# Altium PCB touch-2ch-v4.PcbDoc (part 4 of 8)
Units mm, origin at the board's own origin, x right, y up, seen from the top; angles counter-clockwise.
Board outline 39.88 x 84.36 mm, 2 copper layers (Top Layer, Bottom Layer); 1029 components, 40 nets, 2604 pads, 0 vias.
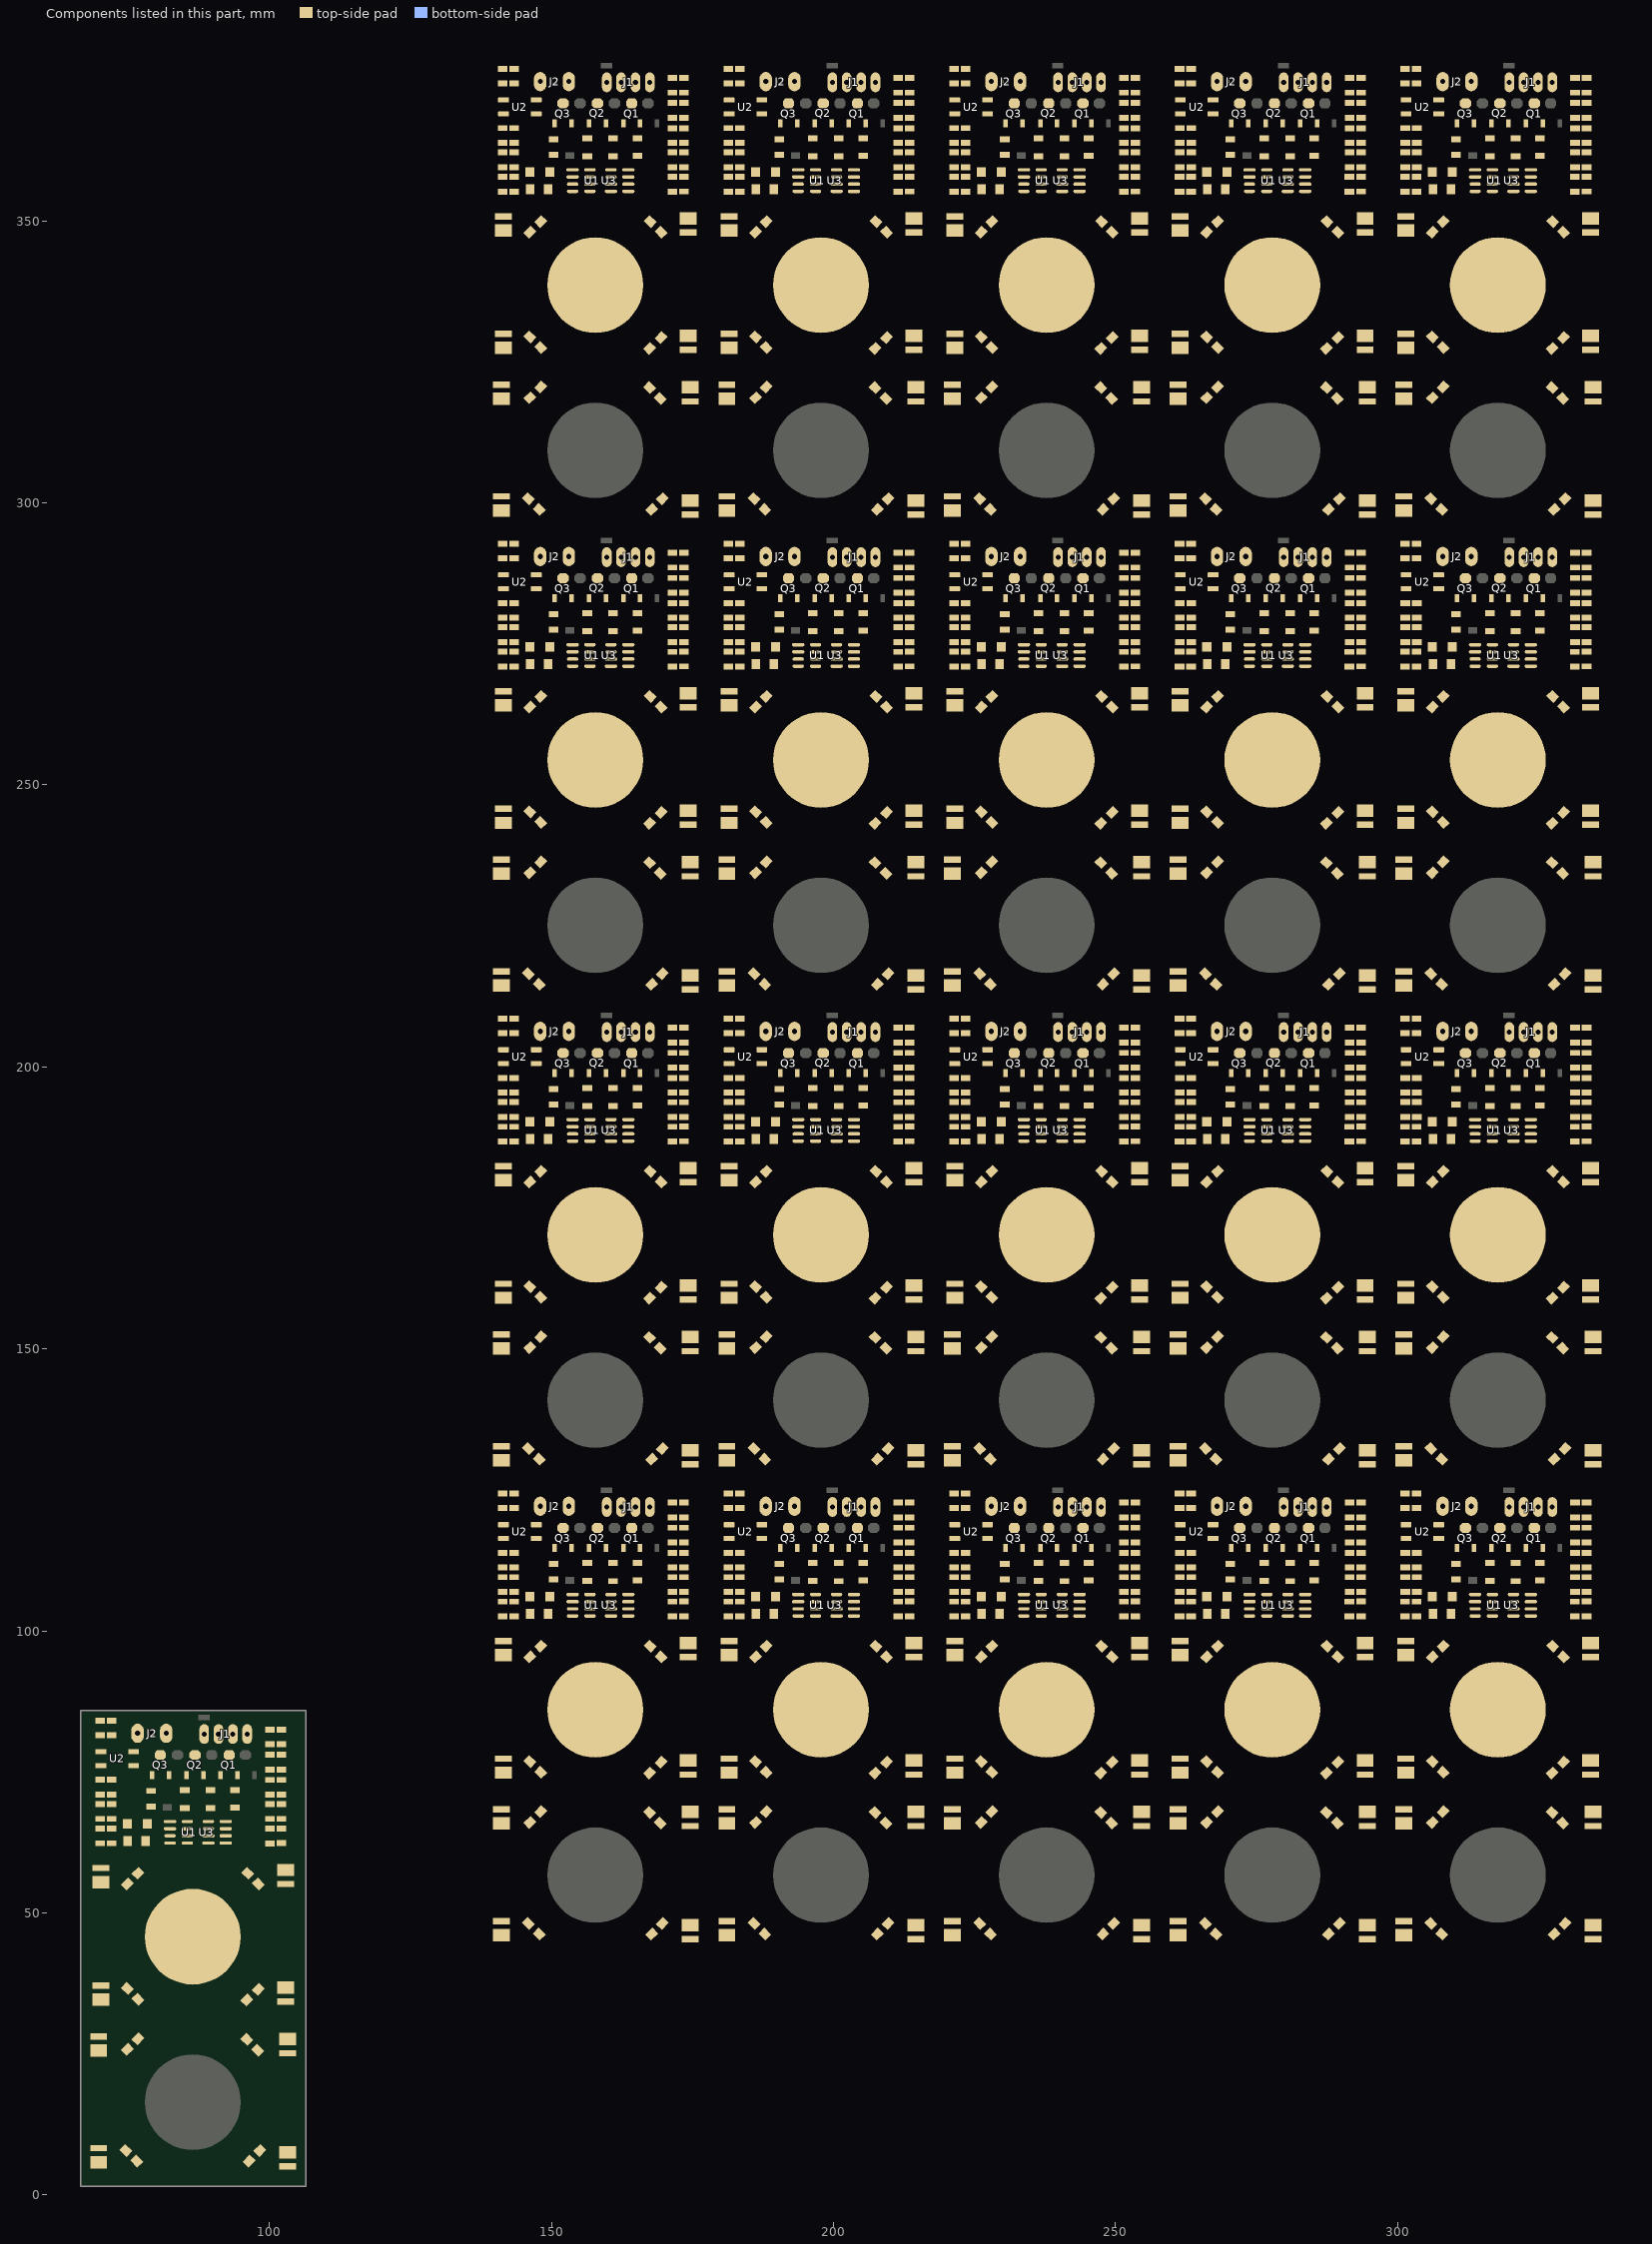
[diagram p4: the components of this part, seen from the top]

## Nets (pads, with @x,y where several pads share a name; then routed paths per layer and width w, separated by ;. In a path a pad name is that pad's centre, name@x,y a point inside that pad or via, vN(x,y) a via of type N, cw(c..) or ccw(c..) an arc to the next point about the centre after c; other vN are vias at no path point) (continued)
pads on no net: U3.6@236.828,357.778 U3.6@276.828,105.178 U3.6@276.828,189.378 U3.6@276.828,273.578 U3.6@276.828,357.778 U3.6@316.827,105.178 U3.6@316.827,189.378 U3.6@316.827,273.578 U3.6@316.827,357.778 U3.7@156.828,103.908 U3.7@156.828,188.108 U3.7@156.828,272.308 U3.7@156.828,356.508 U3.7@196.828,103.908 U3.7@196.828,188.108 U3.7@196.828,272.308 U3.7@196.828,356.508 U3.7@236.828,103.908 U3.7@236.828,188.108 U3.7@236.828,272.308 U3.7@236.828,356.508 U3.7@276.828,103.908 U3.7@276.828,188.108 U3.7@276.828,272.308 U3.7@276.828,356.508 U3.7@316.827,103.908 U3.7@316.827,188.108 U3.7@316.827,272.308 U3.7@316.827,356.508 U3.8@156.828,102.638 U3.8@156.828,186.838 U3.8@156.828,271.038 U3.8@156.828,355.238 U3.8@196.828,102.638 U3.8@196.828,186.838 U3.8@196.828,271.038 U3.8@196.828,355.238 U3.8@236.828,102.638 U3.8@236.828,186.838 U3.8@236.828,271.038 U3.8@236.828,355.238 U3.8@276.828,102.638 U3.8@276.828,186.838 U3.8@276.828,271.038 U3.8@276.828,355.238 U3.8@316.827,102.638 U3.8@316.827,186.838 U3.8@316.827,271.038 U3.8@316.827,355.238
copper on no net: | length 17363
  Top Layer w0.5: 141.097,46.031 141.497,46.031 142.347,45.181 142.347,45.105 144.526,42.926 171.152,42.926 173.548,45.322 174.498,45.322 ; 141.097,130.231 141.497,130.231 142.347,129.381 142.347,129.305 144.526,127.126 171.152,127.126 173.548,129.522 174.498,129.522 ; 141.097,214.431 141.497,214.431 142.347,213.581 142.347,213.505 144.526,211.326 171.152,211.326 173.548,213.722 174.498,213.722 ; 141.097,298.631 141.497,298.631 142.347,297.781 142.347,297.705 144.526,295.526 171.152,295.526 173.548,297.922 174.498,297.922 ; 141.478,74.86 142.216,74.122 142.216,72.922 143.764,71.374 143.764,46.863 146.674,43.953 169.429,43.953 172.085,46.609 172.085,71.501 174.109,73.525 174.109,74.397 174.244,74.532 ; 141.478,159.06 142.216,158.322 142.216,157.122 143.764,155.574 143.764,131.063 146.674,128.153 169.429,128.153 172.085,130.809 172.085,155.701 174.109,157.725 174.109,158.597 174.244,158.732 ; 141.478,243.26 142.216,242.522 142.216,241.322 143.764,239.774 143.764,215.263 146.674,212.353 169.429,212.353 172.085,215.009 172.085,239.901 174.109,241.925 174.109,242.797 174.244,242.932 ; 141.478,327.46 142.216,326.722 142.216,325.522 143.764,323.974 143.764,299.463 146.674,296.553 169.429,296.553 172.085,299.209 172.085,324.101 174.109,326.125 174.109,326.997 174.244,327.132 ; 147.828,46.101 148.223,46.101 149.112,45.212 166.483,45.212 167.245,45.974 167.894,45.974 ; 147.828,130.301 148.223,130.301 149.112,129.412 166.483,129.412 167.245,130.174 167.894,130.174 ; 147.828,214.501 148.223,214.501 149.112,213.612 166.483,213.612 167.245,214.374 167.894,214.374 ; 147.828,298.701 148.223,298.701 149.112,297.812 166.483,297.812 167.245,298.574 167.894,298.574 ; 153.77,105.198 157.574,105.198 158.457,105.198 158.75,105.491 158.75,107.823 157.987,108.586 156.635,108.586 156.36,108.861 ; 153.77,189.398 157.574,189.398 158.457,189.398 158.75,189.691 158.75,192.023 157.987,192.786 156.635,192.786 156.36,193.061 ; 153.77,273.598 157.574,273.598 158.457,273.598 158.75,273.891 158.75,276.223 157.987,276.986 156.635,276.986 156.36,277.261 ; 153.77,357.798 157.574,357.798 158.457,357.798 158.75,358.091 158.75,360.423 157.987,361.186 156.635,361.186 156.36,361.461 ; 160.937,118.005 161.891,117.051 161.891,117.046 162.605,116.332 168.656,116.332 169.418,117.094 175.221,117.094 175.514,116.801 175.514,99.695 175.236,99.417 175.236,98.598 174.498,97.86 ; 160.937,202.205 161.891,201.251 161.891,201.246 162.605,200.532 168.656,200.532 169.418,201.294 175.221,201.294 175.514,201.001 175.514,183.895 175.236,183.617 175.236,182.798 174.498,182.06 ; 160.937,286.405 161.891,285.451 161.891,285.446 162.605,284.732 168.656,284.732 169.418,285.494 175.221,285.494 175.514,285.201 175.514,268.095 175.236,267.817 175.236,266.998 174.498,266.26 ; 160.937,370.605 161.891,369.651 161.891,369.646 162.605,368.932 168.656,368.932 169.418,369.694 175.221,369.694 175.514,369.401 175.514,352.295 175.236,352.017 175.236,351.198 174.498,350.46 ; 167.132,118.237 167.303,118.408 168.573,118.408 169.418,119.253 169.418,120.904 170.053,121.539 176.657,121.539 ; 167.132,202.437 167.303,202.608 168.573,202.608 169.418,203.453 169.418,205.104 170.053,205.739 176.657,205.739 ; 167.132,286.637 167.303,286.808 168.573,286.808 169.418,287.653 169.418,289.304 170.053,289.939 176.657,289.939 ; 167.132,370.837 167.303,371.008 168.573,371.008 169.418,371.853 169.418,373.504 170.053,374.139 176.657,374.139 ; 173.291,97.727 173.999,97.727 ; 173.291,181.926 173.999,181.926 ; 173.291,266.126 173.999,266.126 ; 173.291,350.326 173.999,350.326 ; 181.097,46.031 181.497,46.031 182.347,45.181 182.347,45.105 184.526,42.926 211.152,42.926 213.548,45.322 214.498,45.322 ; 181.097,130.231 181.497,130.231 182.347,129.381 182.347,129.305 184.526,127.126 211.152,127.126 213.548,129.522 214.498,129.522 ; 181.097,214.431 181.497,214.431 182.347,213.581 182.347,213.505 184.526,211.326 211.152,211.326 213.548,213.722 214.498,213.722 ; 181.097,298.631 181.497,298.631 182.347,297.781 182.347,297.705 184.526,295.526 211.152,295.526 213.548,297.922 214.498,297.922 ; 181.478,74.86 182.216,74.122 182.216,72.922 183.764,71.374 183.764,46.863 186.674,43.953 209.429,43.953 212.085,46.609 212.085,71.501 214.109,73.525 214.109,74.397 214.244,74.532 ; 181.478,159.06 182.216,158.322 182.216,157.122 183.764,155.574 183.764,131.063 186.674,128.153 209.429,128.153 212.085,130.809 212.085,155.701 214.109,157.725 214.109,158.597 214.244,158.732 ; 181.478,243.26 182.216,242.522 182.216,241.322 183.764,239.774 183.764,215.263 186.674,212.353 209.429,212.353 212.085,215.009 212.085,239.901 214.109,241.925 214.109,242.797 214.244,242.932 ; 181.478,327.46 182.216,326.722 182.216,325.522 183.764,323.974 183.764,299.463 186.674,296.553 209.429,296.553 212.085,299.209 212.085,324.101 214.109,326.125 214.109,326.997 214.244,327.132 ; 187.828,46.101 188.223,46.101 189.112,45.212 206.483,45.212 207.245,45.974 207.894,45.974 ; 187.828,130.301 188.223,130.301 189.112,129.412 206.483,129.412 207.245,130.174 207.894,130.174 ; 187.828,214.501 188.223,214.501 189.112,213.612 206.483,213.612 207.245,214.374 207.894,214.374 ; 187.828,298.701 188.223,298.701 189.112,297.812 206.483,297.812 207.245,298.574 207.894,298.574 ; 193.77,105.198 197.574,105.198 198.457,105.198 198.75,105.491 198.75,107.823 197.987,108.586 196.635,108.586 196.36,108.861 ; 193.77,189.398 197.574,189.398 198.457,189.398 198.75,189.691 198.75,192.023 197.987,192.786 196.635,192.786 196.36,193.061 ; 193.77,273.598 197.574,273.598 198.457,273.598 198.75,273.891 198.75,276.223 197.987,276.986 196.635,276.986 196.36,277.261 ; 193.77,357.798 197.574,357.798 198.457,357.798 198.75,358.091 198.75,360.423 197.987,361.186 196.635,361.186 196.36,361.461 ; 200.937,118.005 201.891,117.051 201.891,117.046 202.605,116.332 208.656,116.332 209.418,117.094 215.221,117.094 215.514,116.801 215.514,99.695 215.236,99.417 215.236,98.598 214.498,97.86 ; 200.937,202.205 201.891,201.251 201.891,201.246 202.605,200.532 208.656,200.532 209.418,201.294 215.221,201.294 215.514,201.001 215.514,183.895 215.236,183.617 215.236,182.798 214.498,182.06 ; 200.937,286.405 201.891,285.451 201.891,285.446 202.605,284.732 208.656,284.732 209.418,285.494 215.221,285.494 215.514,285.201 215.514,268.095 215.236,267.817 215.236,266.998 214.498,266.26 ; 200.937,370.605 201.891,369.651 201.891,369.646 202.605,368.932 208.656,368.932 209.418,369.694 215.221,369.694 215.514,369.401 215.514,352.295 215.236,352.017 215.236,351.198 214.498,350.46 ; 207.132,118.237 207.303,118.408 208.573,118.408 209.418,119.253 209.418,120.904 210.053,121.539 216.657,121.539 ; 207.132,202.437 207.303,202.608 208.573,202.608 209.418,203.453 209.418,205.104 210.053,205.739 216.657,205.739 ; 207.132,286.637 207.303,286.808 208.573,286.808 209.418,287.653 209.418,289.304 210.053,289.939 216.657,289.939 ; 207.132,370.837 207.303,371.008 208.573,371.008 209.418,371.853 209.418,373.504 210.053,374.139 216.657,374.139 ; 213.291,97.727 213.999,97.727 ; 213.291,181.926 213.999,181.926 ; 213.291,266.126 213.999,266.126 ; 213.291,350.326 213.999,350.326 ; 221.097,46.031 221.497,46.031 222.347,45.181 222.347,45.105 224.526,42.926 251.152,42.926 253.548,45.322 254.498,45.322 ; 221.097,130.231 221.497,130.231 222.347,129.381 222.347,129.305 224.526,127.126 251.152,127.126 253.548,129.522 254.498,129.522 ; 221.097,214.431 221.497,214.431 222.347,213.581 222.347,213.505 224.526,211.326 251.152,211.326 253.548,213.722 254.498,213.722 ; 221.097,298.631 221.497,298.631 222.347,297.781 222.347,297.705 224.526,295.526 251.152,295.526 253.548,297.922 254.498,297.922 ; 221.478,74.86 222.216,74.122 222.216,72.922 223.764,71.374 223.764,46.863 226.674,43.953 249.429,43.953 252.085,46.609 252.085,71.501 254.109,73.525 254.109,74.397 254.244,74.532 ; 221.478,159.06 222.216,158.322 222.216,157.122 223.764,155.574 223.764,131.063 226.674,128.153 249.429,128.153 252.085,130.809 252.085,155.701 254.109,157.725 254.109,158.597 254.244,158.732 ; 221.478,243.26 222.216,242.522 222.216,241.322 223.764,239.774 223.764,215.263 226.674,212.353 249.429,212.353 252.085,215.009 252.085,239.901 254.109,241.925 254.109,242.797 254.244,242.932 ; 221.478,327.46 222.216,326.722 222.216,325.522 223.764,323.974 223.764,299.463 226.674,296.553 249.429,296.553 252.085,299.209 252.085,324.101 254.109,326.125 254.109,326.997 254.244,327.132 ; 227.828,46.101 228.223,46.101 229.112,45.212 246.483,45.212 247.245,45.974 247.894,45.974 ; 227.828,130.301 228.223,130.301 229.112,129.412 246.483,129.412 247.245,130.174 247.894,130.174 ; 227.828,214.501 228.223,214.501 229.112,213.612 246.483,213.612 247.245,214.374 247.894,214.374 ; 227.828,298.701 228.223,298.701 229.112,297.812 246.483,297.812 247.245,298.574 247.894,298.574 ; 233.77,105.198 237.574,105.198 238.457,105.198 238.75,105.491 238.75,107.823 237.986,108.586 236.635,108.586 236.359,108.861 ; 233.77,189.398 237.574,189.398 238.457,189.398 238.75,189.691 238.75,192.023 237.986,192.786 236.635,192.786 236.359,193.061 ; 233.77,273.598 237.574,273.598 238.457,273.598 238.75,273.891 238.75,276.223 237.986,276.986 236.635,276.986 236.359,277.261 ; 233.77,357.798 237.574,357.798 238.457,357.798 238.75,358.091 238.75,360.423 237.986,361.186 236.635,361.186 236.359,361.461 ; 240.937,118.005 241.891,117.051 241.891,117.046 242.605,116.332 248.656,116.332 249.418,117.094 255.221,117.094 255.514,116.801 255.514,99.695 255.236,99.417 255.236,98.598 254.498,97.86 ; 240.937,202.205 241.891,201.251 241.891,201.246 242.605,200.532 248.656,200.532 249.418,201.294 255.221,201.294 255.514,201.001 255.514,183.895 255.236,183.617 255.236,182.798 254.498,182.06 ; 240.937,286.405 241.891,285.451 241.891,285.446 242.605,284.732 248.656,284.732 249.418,285.494 255.221,285.494 255.514,285.201 255.514,268.095 255.236,267.817 255.236,266.998 254.498,266.26 ; 240.937,370.605 241.891,369.651 241.891,369.646 242.605,368.932 248.656,368.932 249.418,369.694 255.221,369.694 255.514,369.401 255.514,352.295 255.236,352.017 255.236,351.198 254.498,350.46 ; 247.132,118.237 247.303,118.408 248.573,118.408 249.418,119.253 249.418,120.904 250.053,121.539 256.657,121.539 ; 247.132,202.437 247.303,202.608 248.573,202.608 249.418,203.453 249.418,205.104 250.053,205.739 256.657,205.739 ; 247.132,286.637 247.303,286.808 248.573,286.808 249.418,287.653 249.418,289.304 250.053,289.939 256.657,289.939 ; 247.132,370.837 247.303,371.008 248.573,371.008 249.418,371.853 249.418,373.504 250.053,374.139 256.657,374.139 ; 253.291,97.727 253.999,97.727 ; 253.291,181.926 253.999,181.926 ; 253.291,266.126 253.999,266.126 ; 253.291,350.326 253.999,350.326 ; 261.097,46.031 261.497,46.031 262.347,45.181 262.347,45.105 264.526,42.926 291.152,42.926 293.548,45.322 294.498,45.322 ; 261.097,130.231 261.497,130.231 262.347,129.381 262.347,129.305 264.526,127.126 291.152,127.126 293.548,129.522 294.498,129.522 ; 261.097,214.431 261.497,214.431 262.347,213.581 262.347,213.505 264.526,211.326 291.152,211.326 293.548,213.722 294.498,213.722 ; 261.097,298.631 261.497,298.631 262.347,297.781 262.347,297.705 264.526,295.526 291.152,295.526 293.548,297.922 294.498,297.922 ; 261.478,74.86 262.216,74.122 262.216,72.922 263.764,71.374 263.764,46.863 266.674,43.953 289.429,43.953 292.085,46.609 292.085,71.501 294.109,73.525 294.109,74.397 294.244,74.532 ; 261.478,159.06 262.216,158.322 262.216,157.122 263.764,155.574 263.764,131.063 266.674,128.153 289.429,128.153 292.085,130.809 292.085,155.701 294.109,157.725 294.109,158.597 294.244,158.732 ; 261.478,243.26 262.216,242.522 262.216,241.322 263.764,239.774 263.764,215.263 266.674,212.353 289.429,212.353 292.085,215.009 292.085,239.901 294.109,241.925 294.109,242.797 294.244,242.932 ; 261.478,327.46 262.216,326.722 262.216,325.522 263.764,323.974 263.764,299.463 266.674,296.553 289.429,296.553 292.085,299.209 292.085,324.101 294.109,326.125 294.109,326.997 294.244,327.132 ; 267.828,46.101 268.223,46.101 269.112,45.212 286.483,45.212 287.245,45.974 287.894,45.974 ; 267.828,130.301 268.223,130.301 269.112,129.412 286.483,129.412 287.245,130.174 287.894,130.174 ; 267.828,214.501 268.223,214.501 269.112,213.612 286.483,213.612 287.245,214.374 287.894,214.374 ; 267.828,298.701 268.223,298.701 269.112,297.812 286.483,297.812 287.245,298.574 287.894,298.574 ; 273.77,105.198 277.574,105.198 278.457,105.198 278.75,105.491 278.75,107.823 277.987,108.586 276.635,108.586 276.36,108.861 ; 273.77,189.398 277.574,189.398 278.457,189.398 278.75,189.691 278.75,192.023 277.987,192.786 276.635,192.786 276.36,193.061 ; 273.77,273.598 277.574,273.598 278.457,273.598 278.75,273.891 278.75,276.223 277.987,276.986 276.635,276.986 276.36,277.261 ; 273.77,357.798 277.574,357.798 278.457,357.798 278.75,358.091 278.75,360.423 277.987,361.186 276.635,361.186 276.36,361.461 ; 280.937,118.005 281.891,117.051 281.891,117.046 282.605,116.332 288.656,116.332 289.418,117.094 295.221,117.094 295.514,116.801 295.514,99.695 295.236,99.417 295.236,98.598 294.498,97.86 ; 280.937,202.205 281.891,201.251 281.891,201.246 282.605,200.532 288.656,200.532 289.418,201.294 295.221,201.294 295.514,201.001 295.514,183.895 295.236,183.617 295.236,182.798 294.498,182.06 ; 280.937,286.405 281.891,285.451 281.891,285.446 282.605,284.732 288.656,284.732 289.418,285.494 295.221,285.494 295.514,285.201 295.514,268.095 295.236,267.817 295.236,266.998 294.498,266.26 ; 280.937,370.605 281.891,369.651 281.891,369.646 282.605,368.932 288.656,368.932 289.418,369.694 295.221,369.694 295.514,369.401 295.514,352.295 295.236,352.017 295.236,351.198 294.498,350.46 ; 287.132,118.237 287.303,118.408 288.573,118.408 289.418,119.253 289.418,120.904 290.053,121.539 296.657,121.539 ; 287.132,202.437 287.303,202.608 288.573,202.608 289.418,203.453 289.418,205.104 290.053,205.739 296.657,205.739 ; 287.132,286.637 287.303,286.808 288.573,286.808 289.418,287.653 289.418,289.304 290.053,289.939 296.657,289.939 ; 287.132,370.837 287.303,371.008 288.573,371.008 289.418,371.853 289.418,373.504 290.053,374.139 296.657,374.139 ; 293.292,97.727 293.999,97.727 ; 293.292,181.926 293.999,181.926 ; 293.292,266.126 293.999,266.126 ; 293.292,350.326 293.999,350.326 ; 301.097,46.031 301.497,46.031 302.347,45.181 302.347,45.105 304.526,42.926 331.152,42.926 333.548,45.322 334.498,45.322 ; 301.097,130.231 301.497,130.231 302.347,129.381 302.347,129.305 304.526,127.126 331.152,127.126 333.548,129.522 334.498,129.522 ; 301.097,214.431 301.497,214.431 302.347,213.581 302.347,213.505 304.526,211.326 331.152,211.326 333.548,213.722 334.498,213.722 ; 301.097,298.631 301.497,298.631 302.347,297.781 302.347,297.705 304.526,295.526 331.152,295.526 333.548,297.922 334.498,297.922 ; 301.478,74.86 302.216,74.122 302.216,72.922 303.764,71.374 303.764,46.863 306.674,43.953 329.429,43.953 332.085,46.609 332.085,71.501 334.109,73.525 334.109,74.397 334.244,74.532 ; 301.478,159.06 302.216,158.322 302.216,157.122 303.764,155.574 303.764,131.063 306.674,128.153 329.429,128.153 332.085,130.809 332.085,155.701 334.109,157.725 334.109,158.597 334.244,158.732 ; 301.478,243.26 302.216,242.522 302.216,241.322 303.764,239.774 303.764,215.263 306.674,212.353 329.429,212.353 332.085,215.009 332.085,239.901 334.109,241.925 334.109,242.797 334.244,242.932 ; 301.478,327.46 302.216,326.722 302.216,325.522 303.764,323.974 303.764,299.463 306.674,296.553 329.429,296.553 332.085,299.209 332.085,324.101 334.109,326.125 334.109,326.997 334.244,327.132 ; 307.828,46.101 308.223,46.101 309.112,45.212 326.483,45.212 327.245,45.974 327.894,45.974 ; 307.828,130.301 308.223,130.301 309.112,129.412 326.483,129.412 327.245,130.174 327.894,130.174 ; 307.828,214.501 308.223,214.501 309.112,213.612 326.483,213.612 327.245,214.374 327.894,214.374 ; 307.828,298.701 308.223,298.701 309.112,297.812 326.483,297.812 327.245,298.574 327.894,298.574 ; 313.77,105.198 317.574,105.198 318.457,105.198 318.75,105.491 318.75,107.823 317.986,108.586 316.634,108.586 316.359,108.861 ; 313.77,189.398 317.574,189.398 318.457,189.398 318.75,189.691 318.75,192.023 317.986,192.786 316.634,192.786 316.359,193.061 ; 313.77,273.598 317.574,273.598 318.457,273.598 318.75,273.891 318.75,276.223 317.986,276.986 316.634,276.986 316.359,277.261 ; 313.77,357.798 317.574,357.798 318.457,357.798 318.75,358.091 318.75,360.423 317.986,361.186 316.634,361.186 316.359,361.461 ; 320.937,118.005 321.891,117.051 321.891,117.046 322.605,116.332 328.656,116.332 329.418,117.094 335.221,117.094 335.514,116.801 335.514,99.695 335.236,99.417 335.236,98.598 334.498,97.86 ; 320.937,202.205 321.891,201.251 321.891,201.246 322.605,200.532 328.656,200.532 329.418,201.294 335.221,201.294 335.514,201.001 335.514,183.895 335.236,183.617 335.236,182.798 334.498,182.06 ; 320.937,286.405 321.891,285.451 321.891,285.446 322.605,284.732 328.656,284.732 329.418,285.494 335.221,285.494 335.514,285.201 335.514,268.095 335.236,267.817 335.236,266.998 334.498,266.26 ; 320.937,370.605 321.891,369.651 321.891,369.646 322.605,368.932 328.656,368.932 329.418,369.694 335.221,369.694 335.514,369.401 335.514,352.295 335.236,352.017 335.236,351.198 334.498,350.46 ; 327.132,118.237 327.303,118.408 328.573,118.408 329.418,119.253 329.418,120.904 330.053,121.539 336.657,121.539 ; 327.132,202.437 327.303,202.608 328.573,202.608 329.418,203.453 329.418,205.104 330.053,205.739 336.657,205.739 ; 327.132,286.637 327.303,286.808 328.573,286.808 329.418,287.653 329.418,289.304 330.053,289.939 336.657,289.939 ; 327.132,370.837 327.303,371.008 328.573,371.008 329.418,371.853 329.418,373.504 330.053,374.139 336.657,374.139 ; 333.291,97.727 333.999,97.727 ; 333.291,181.926 333.999,181.926 ; 333.291,266.126 333.999,266.126 ; 333.291,350.326 333.999,350.326